# KiCad board AnalogFNN.kicad_pcb (continued)
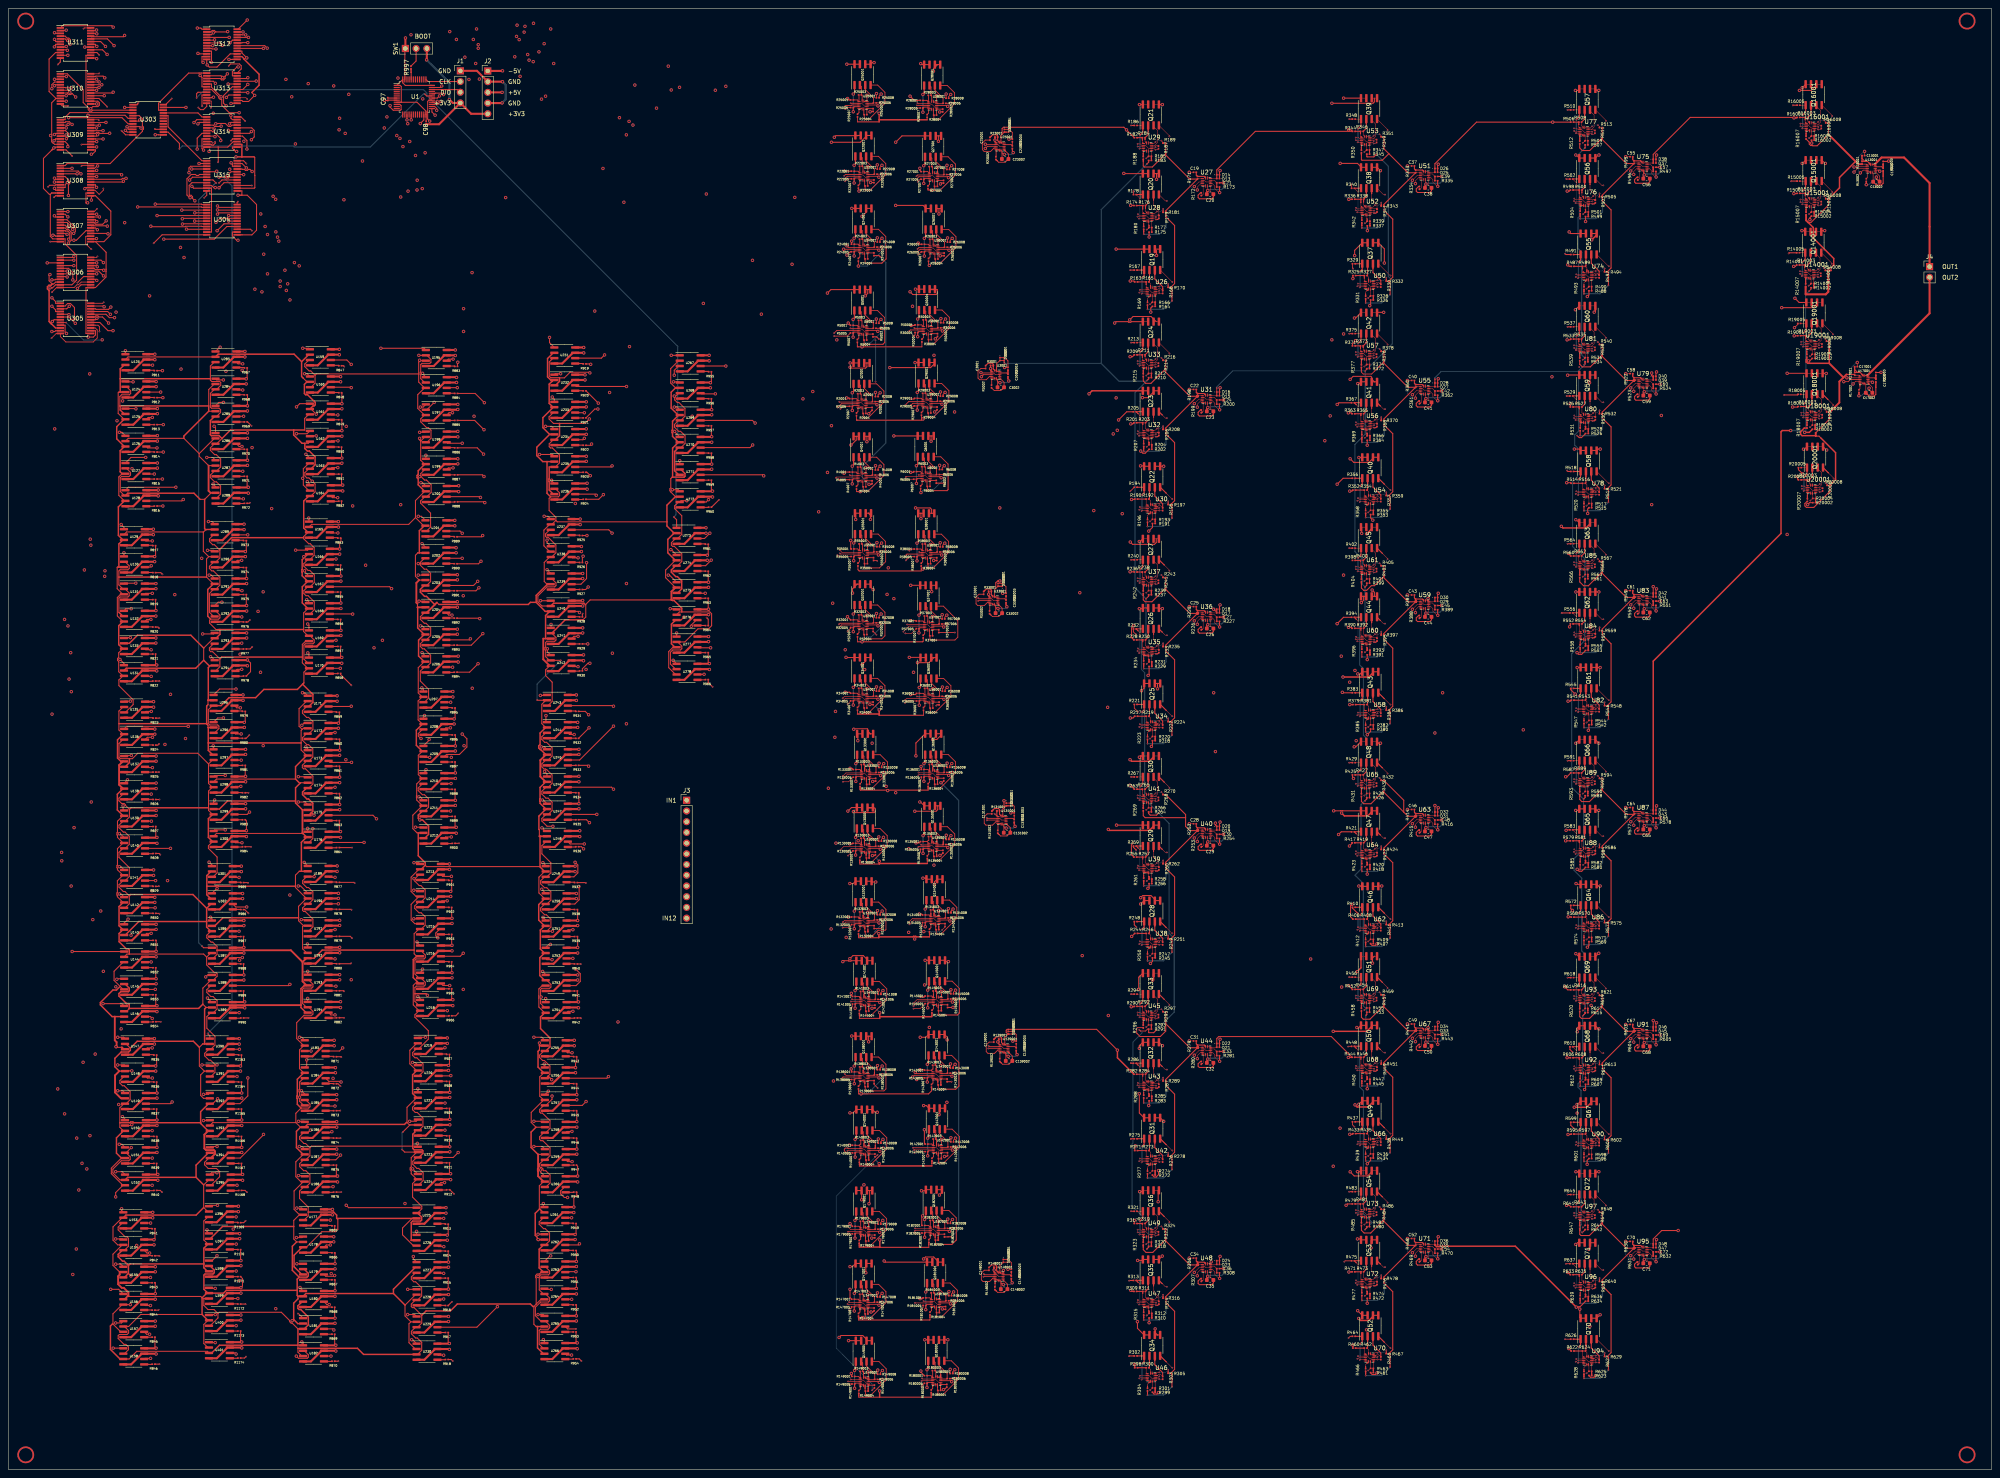
[diagram p0: board, top side]
## Placement (name value [footprint] x y rotation side) (continued)
U151  MCP41050  [SOIC-8_3.9x4.9mm_P1.27mm]  30.1 74.5 0 top
U152  MCP41050  [SOIC-8_3.9x4.9mm_P1.27mm]  30.1 68.05 0 top
U153  MCP41050  [SOIC-8_3.9x4.9mm_P1.27mm]  29.7 59.1 0 top
U154  MCP41050  [SOIC-8_3.9x4.9mm_P1.27mm]  29.7 52.65 0 top
U155  MCP41050  [SOIC-8_3.9x4.9mm_P1.27mm]  29.7 46.2 0 top
U156  MCP41050  [SOIC-8_3.9x4.9mm_P1.27mm]  29.7 39.75 0 top
U157  MCP41050  [SOIC-8_3.9x4.9mm_P1.27mm]  29.7 33.3 0 top
U158  MCP41050  [SOIC-8_3.9x4.9mm_P1.27mm]  29.7 26.85 0 top
U159  MCP41050  [SOIC-8_3.9x4.9mm_P1.27mm]  73.92 263.76 0 top
U160  MCP41050  [SOIC-8_3.9x4.9mm_P1.27mm]  73.92 257.31 0 top
U161  MCP41050  [SOIC-8_3.9x4.9mm_P1.27mm]  73.92 250.87 0 top
U162  MCP41050  [SOIC-8_3.9x4.9mm_P1.27mm]  73.92 244.42 0 top
U163  MCP41050  [SOIC-8_3.9x4.9mm_P1.27mm]  73.92 237.97 0 top
U164  MCP41050  [SOIC-8_3.9x4.9mm_P1.27mm]  73.92 231.51 0 top
U165  MCP41050  [SOIC-8_3.9x4.9mm_P1.27mm]  73.7 222.9 0 top
U166  MCP41050  [SOIC-8_3.9x4.9mm_P1.27mm]  73.7 216.45 0 top
U167  MCP41050  [SOIC-8_3.9x4.9mm_P1.27mm]  73.7 210 0 top
U168  MCP41050  [SOIC-8_3.9x4.9mm_P1.27mm]  73.7 203.55 0 top
U169  MCP41050  [SOIC-8_3.9x4.9mm_P1.27mm]  73.7 197.1 0 top
U170  MCP41050  [SOIC-8_3.9x4.9mm_P1.27mm]  73.7 190.65 0 top
U171  MCP41050  [SOIC-8_3.9x4.9mm_P1.27mm]  73.4 181.6 0 top
U172  MCP41050  [SOIC-8_3.9x4.9mm_P1.27mm]  73.4 175.15 0 top
U173  MCP41050  [SOIC-8_3.9x4.9mm_P1.27mm]  73.4 168.7 0 top
U174  MCP41050  [SOIC-8_3.9x4.9mm_P1.27mm]  73.4 162.25 0 top
U175  MCP41050  [SOIC-8_3.9x4.9mm_P1.27mm]  73.4 155.8 0 top
U176  MCP41050  [SOIC-8_3.9x4.9mm_P1.27mm]  73.4 149.35 0 top
U177  MCP41050  [SOIC-8_3.9x4.9mm_P1.27mm]  72.3 59.8 0 top
U178  MCP41050  [SOIC-8_3.9x4.9mm_P1.27mm]  72.3 53.35 0 top
U179  MCP41050  [SOIC-8_3.9x4.9mm_P1.27mm]  72.3 46.9 0 top
U180  MCP41050  [SOIC-8_3.9x4.9mm_P1.27mm]  72.3 40.45 0 top
U181  MCP41050  [SOIC-8_3.9x4.9mm_P1.27mm]  72.3 34 0 top
U182  MCP41050  [SOIC-8_3.9x4.9mm_P1.27mm]  72.3 27.55 0 top
U183  MCP41050  [SOIC-8_3.9x4.9mm_P1.27mm]  72.7 99.9 0 top
U184  MCP41050  [SOIC-8_3.9x4.9mm_P1.27mm]  72.7 93.45 0 top
U185  MCP41050  [SOIC-8_3.9x4.9mm_P1.27mm]  72.7 87 0 top
U186  MCP41050  [SOIC-8_3.9x4.9mm_P1.27mm]  72.7 80.55 0 top
U187  MCP41050  [SOIC-8_3.9x4.9mm_P1.27mm]  72.7 74.1 0 top
U188  MCP41050  [SOIC-8_3.9x4.9mm_P1.27mm]  72.7 67.65 0 top
U189  MCP41050  [SOIC-8_3.9x4.9mm_P1.27mm]  73.4 141.25 0 top
U190  MCP41050  [SOIC-8_3.9x4.9mm_P1.27mm]  73.4 134.8 0 top
U191  MCP41050  [SOIC-8_3.9x4.9mm_P1.27mm]  73.4 128.35 0 top
U192  MCP41050  [SOIC-8_3.9x4.9mm_P1.27mm]  73.4 121.9 0 top
U193  MCP41050  [SOIC-8_3.9x4.9mm_P1.27mm]  73.4 115.45 0 top
U194  MCP41050  [SOIC-8_3.9x4.9mm_P1.27mm]  73.4 109 0 top
U195  MCP41050  [SOIC-8_3.9x4.9mm_P1.27mm]  101.4 263.6 0 top
U196  MCP41050  [SOIC-8_3.9x4.9mm_P1.27mm]  101.4 257.15 0 top
U197  MCP41050  [SOIC-8_3.9x4.9mm_P1.27mm]  101.4 250.7 0 top
U198  MCP41050  [SOIC-8_3.9x4.9mm_P1.27mm]  101.4 244.25 0 top
U199  MCP41050  [SOIC-8_3.9x4.9mm_P1.27mm]  101.4 237.8 0 top
U200  MCP41050  [SOIC-8_3.9x4.9mm_P1.27mm]  101.4 231.35 0 top
U201  MCP41050  [SOIC-8_3.9x4.9mm_P1.27mm]  101.3 223.2 0 top
U202  MCP41050  [SOIC-8_3.9x4.9mm_P1.27mm]  101.3 216.75 0 top
U203  MCP41050  [SOIC-8_3.9x4.9mm_P1.27mm]  101.3 210.3 0 top
U204  MCP41050  [SOIC-8_3.9x4.9mm_P1.27mm]  101.3 203.85 0 top
U205  MCP41050  [SOIC-8_3.9x4.9mm_P1.27mm]  101.3 197.4 0 top
U206  MCP41050  [SOIC-8_3.9x4.9mm_P1.27mm]  101.3 190.95 0 top
U207  MCP41050  [SOIC-8_3.9x4.9mm_P1.27mm]  100.83 182.6 0 top
U208  MCP41050  [SOIC-8_3.9x4.9mm_P1.27mm]  100.83 176.16 0 top
U209  MCP41050  [SOIC-8_3.9x4.9mm_P1.27mm]  100.83 169.71 0 top
U210  MCP41050  [SOIC-8_3.9x4.9mm_P1.27mm]  100.83 163.25 0 top
U211  MCP41050  [SOIC-8_3.9x4.9mm_P1.27mm]  100.83 156.81 0 top
U212  MCP41050  [SOIC-8_3.9x4.9mm_P1.27mm]  100.83 150.35 0 top
U213  MCP41050  [SOIC-8_3.9x4.9mm_P1.27mm]  100.03 141.72 0 top
U214  MCP41050  [SOIC-8_3.9x4.9mm_P1.27mm]  100.03 135.26 0 top
U215  MCP41050  [SOIC-8_3.9x4.9mm_P1.27mm]  100.03 128.81 0 top
U216  MCP41050  [SOIC-8_3.9x4.9mm_P1.27mm]  100.03 122.37 0 top
U217  MCP41050  [SOIC-8_3.9x4.9mm_P1.27mm]  100.03 115.91 0 top
U218  MCP41050  [SOIC-8_3.9x4.9mm_P1.27mm]  100.03 109.47 0 top
U219  MCP41050  [SOIC-8_3.9x4.9mm_P1.27mm]  99.5 100.45 0 top
U220  MCP41050  [SOIC-8_3.9x4.9mm_P1.27mm]  99.5 94 0 top
U221  MCP41050  [SOIC-8_3.9x4.9mm_P1.27mm]  99.5 87.55 0 top
U222  MCP41050  [SOIC-8_3.9x4.9mm_P1.27mm]  99.5 81.1 0 top
U223  MCP41050  [SOIC-8_3.9x4.9mm_P1.27mm]  99.5 74.65 0 top
U224  MCP41050  [SOIC-8_3.9x4.9mm_P1.27mm]  99.5 68.2 0 top
U225  MCP41050  [SOIC-8_3.9x4.9mm_P1.27mm]  99.2 60.2 0 top
U226  MCP41050  [SOIC-8_3.9x4.9mm_P1.27mm]  99.2 53.75 0 top
U227  MCP41050  [SOIC-8_3.9x4.9mm_P1.27mm]  99.2 47.3 0 top
U228  MCP41050  [SOIC-8_3.9x4.9mm_P1.27mm]  99.2 40.85 0 top
U229  MCP41050  [SOIC-8_3.9x4.9mm_P1.27mm]  99.2 34.4 0 top
U230  MCP41050  [SOIC-8_3.9x4.9mm_P1.27mm]  99.2 27.95 0 top
U231  MCP41050  [SOIC-8_3.9x4.9mm_P1.27mm]  131.85 264.2 0 top
U232  MCP41050  [SOIC-8_3.9x4.9mm_P1.27mm]  131.85 257.75 0 top
U233  MCP41050  [SOIC-8_3.9x4.9mm_P1.27mm]  131.85 251.3 0 top
U234  MCP41050  [SOIC-8_3.9x4.9mm_P1.27mm]  131.85 244.85 0 top
U235  MCP41050  [SOIC-8_3.9x4.9mm_P1.27mm]  131.85 238.4 0 top
U236  MCP41050  [SOIC-8_3.9x4.9mm_P1.27mm]  131.85 231.95 0 top
U237  MCP41050  [SOIC-8_3.9x4.9mm_P1.27mm]  131 223.5 0 top
U238  MCP41050  [SOIC-8_3.9x4.9mm_P1.27mm]  131 217.05 0 top
U239  MCP41050  [SOIC-8_3.9x4.9mm_P1.27mm]  131 210.6 0 top
U240  MCP41050  [SOIC-8_3.9x4.9mm_P1.27mm]  131 204.15 0 top
U241  MCP41050  [SOIC-8_3.9x4.9mm_P1.27mm]  131 197.7 0 top
U242  MCP41050  [SOIC-8_3.9x4.9mm_P1.27mm]  131 191.25 0 top
U243  MCP41050  [SOIC-8_3.9x4.9mm_P1.27mm]  130.1 181.8 0 top
U244  MCP41050  [SOIC-8_3.9x4.9mm_P1.27mm]  130.1 175.35 0 top
U245  MCP41050  [SOIC-8_3.9x4.9mm_P1.27mm]  130.1 168.9 0 top
U246  MCP41050  [SOIC-8_3.9x4.9mm_P1.27mm]  130.1 162.45 0 top
U247  MCP41050  [SOIC-8_3.9x4.9mm_P1.27mm]  130.1 156 0 top
U248  MCP41050  [SOIC-8_3.9x4.9mm_P1.27mm]  130.1 149.55 0 top
U249  MCP41050  [SOIC-8_3.9x4.9mm_P1.27mm]  129.8 141.2 0 top
U250  MCP41050  [SOIC-8_3.9x4.9mm_P1.27mm]  129.8 134.75 0 top
U251  MCP41050  [SOIC-8_3.9x4.9mm_P1.27mm]  129.8 128.3 0 top
U252  MCP41050  [SOIC-8_3.9x4.9mm_P1.27mm]  129.8 121.85 0 top
U253  MCP41050  [SOIC-8_3.9x4.9mm_P1.27mm]  129.8 115.4 0 top
U254  MCP41050  [SOIC-8_3.9x4.9mm_P1.27mm]  129.8 108.95 0 top
U255  MCP41050  [SOIC-8_3.9x4.9mm_P1.27mm]  129.6 99.9 0 top
U256  MCP41050  [SOIC-8_3.9x4.9mm_P1.27mm]  129.6 93.45 0 top
U257  MCP41050  [SOIC-8_3.9x4.9mm_P1.27mm]  129.6 87 0 top
U258  MCP41050  [SOIC-8_3.9x4.9mm_P1.27mm]  129.6 80.55 0 top
U259  MCP41050  [SOIC-8_3.9x4.9mm_P1.27mm]  129.6 74.1 0 top
U260  MCP41050  [SOIC-8_3.9x4.9mm_P1.27mm]  129.6 67.65 0 top
U261  MCP41050  [SOIC-8_3.9x4.9mm_P1.27mm]  129.5 60.35 0 top
U262  MCP41050  [SOIC-8_3.9x4.9mm_P1.27mm]  129.5 53.9 0 top
U263  MCP41050  [SOIC-8_3.9x4.9mm_P1.27mm]  129.5 47.45 0 top
U264  MCP41050  [SOIC-8_3.9x4.9mm_P1.27mm]  129.5 41 0 top
U265  MCP41050  [SOIC-8_3.9x4.9mm_P1.27mm]  129.5 34.55 0 top
U266  MCP41050  [SOIC-8_3.9x4.9mm_P1.27mm]  129.5 28.1 0 top
U267  MCP41050  [SOIC-8_3.9x4.9mm_P1.27mm]  161.57 262.33 0 top
U268  MCP41050  [SOIC-8_3.9x4.9mm_P1.27mm]  161.57 255.88 0 top
U269  MCP41050  [SOIC-8_3.9x4.9mm_P1.27mm]  161.57 249.44 0 top
U270  MCP41050  [SOIC-8_3.9x4.9mm_P1.27mm]  161.57 242.99 0 top
U271  MCP41050  [SOIC-8_3.9x4.9mm_P1.27mm]  161.57 236.53 0 top
U272  MCP41050  [SOIC-8_3.9x4.9mm_P1.27mm]  161.57 230.09 0 top
U273  MCP41050  [SOIC-8_3.9x4.9mm_P1.27mm]  160.82 221.44 0 top
U274  MCP41050  [SOIC-8_3.9x4.9mm_P1.27mm]  160.82 214.99 0 top
U275  MCP41050  [SOIC-8_3.9x4.9mm_P1.27mm]  160.82 208.53 0 top
U276  MCP41050  [SOIC-8_3.9x4.9mm_P1.27mm]  160.82 202.09 0 top
U277  MCP41050  [SOIC-8_3.9x4.9mm_P1.27mm]  160.82 195.63 0 top
U278  MCP41050  [SOIC-8_3.9x4.9mm_P1.27mm]  160.82 189.19 0 top
U283  MCP41050  [SOIC-8_3.9x4.9mm_P1.27mm]  51.55 263.25 0 top
U284  MCP41050  [SOIC-8_3.9x4.9mm_P1.27mm]  51.55 256.8 0 top
U285  MCP41050  [SOIC-8_3.9x4.9mm_P1.27mm]  51.55 250.35 0 top
U286  MCP41050  [SOIC-8_3.9x4.9mm_P1.27mm]  51.55 243.9 0 top
U287  MCP41050  [SOIC-8_3.9x4.9mm_P1.27mm]  51.55 237.45 0 top
U288  MCP41050  [SOIC-8_3.9x4.9mm_P1.27mm]  51.55 231 0 top
U289  MCP41050  [SOIC-8_3.9x4.9mm_P1.27mm]  51.35 222.3 0 top
U290  MCP41050  [SOIC-8_3.9x4.9mm_P1.27mm]  51.35 215.85 0 top
U291  MCP41050  [SOIC-8_3.9x4.9mm_P1.27mm]  51.35 209.4 0 top
U292  MCP41050  [SOIC-8_3.9x4.9mm_P1.27mm]  51.35 202.95 0 top
U293  MCP41050  [SOIC-8_3.9x4.9mm_P1.27mm]  51.35 196.5 0 top
U294  MCP41050  [SOIC-8_3.9x4.9mm_P1.27mm]  51.35 190.05 0 top
U295  MCP41050  [SOIC-8_3.9x4.9mm_P1.27mm]  51.1 181.8 0 top
U296  MCP41050  [SOIC-8_3.9x4.9mm_P1.27mm]  51.1 175.35 0 top
U297  MCP41050  [SOIC-8_3.9x4.9mm_P1.27mm]  51.1 168.9 0 top
U298  MCP41050  [SOIC-8_3.9x4.9mm_P1.27mm]  51.1 162.45 0 top
U299  MCP41050  [SOIC-8_3.9x4.9mm_P1.27mm]  51.1 156 0 top
U300  MCP41050  [SOIC-8_3.9x4.9mm_P1.27mm]  51.1 149.55 0 top
U301  MCP41050  [SOIC-8_3.9x4.9mm_P1.27mm]  50.7 141.2 0 top
U302  MCP41050  [SOIC-8_3.9x4.9mm_P1.27mm]  50.7 134.75 0 top
U303  CD74HC4067SM  [SSOP-24_5.3x8.2mm_P0.65mm]  33.1 320.1 0 top
U304  CD74HC4067SM  [SSOP-24_5.3x8.2mm_P0.65mm]  50.6 296.4 0 top
U305  CD74HC4067SM  [SSOP-24_5.3x8.2mm_P0.65mm]  15.9 273 0 top
U306  CD74HC4067SM  [SSOP-24_5.3x8.2mm_P0.65mm]  15.9 283.89 0 top
U307  CD74HC4067SM  [SSOP-24_5.3x8.2mm_P0.65mm]  15.9 294.77 0 top
U308  CD74HC4067SM  [SSOP-24_5.3x8.2mm_P0.65mm]  15.9 305.66 0 top
U309  CD74HC4067SM  [SSOP-24_5.3x8.2mm_P0.65mm]  15.9 316.54 0 top
U310  CD74HC4067SM  [SSOP-24_5.3x8.2mm_P0.65mm]  15.9 327.43 0 top
U311  CD74HC4067SM  [SSOP-24_5.3x8.2mm_P0.65mm]  15.9 338.31 0 top
U312  CD74HC4067SM  [SSOP-24_5.3x8.2mm_P0.65mm]  50.6 338 0 top
U313  CD74HC4067SM  [SSOP-24_5.3x8.2mm_P0.65mm]  50.6 327.6 0 top
U314  CD74HC4067SM  [SSOP-24_5.3x8.2mm_P0.65mm]  50.6 317.2 0 top
U315  CD74HC4067SM  [SSOP-24_5.3x8.2mm_P0.65mm]  50.6 306.8 0 top
U386  MCP41050  [SOIC-8_3.9x4.9mm_P1.27mm]  50.7 128.3 0 top
U387  MCP41050  [SOIC-8_3.9x4.9mm_P1.27mm]  50.7 121.85 0 top
U388  MCP41050  [SOIC-8_3.9x4.9mm_P1.27mm]  50.7 115.4 0 top
U389  MCP41050  [SOIC-8_3.9x4.9mm_P1.27mm]  50.7 108.95 0 top
U390  MCP41050  [SOIC-8_3.9x4.9mm_P1.27mm]  50.2 100.3 0 top
U391  MCP41050  [SOIC-8_3.9x4.9mm_P1.27mm]  50.2 93.85 0 top
U392  MCP41050  [SOIC-8_3.9x4.9mm_P1.27mm]  50.2 87.4 0 top
U393  MCP41050  [SOIC-8_3.9x4.9mm_P1.27mm]  50.2 80.95 0 top
U394  MCP41050  [SOIC-8_3.9x4.9mm_P1.27mm]  50.2 74.5 0 top
U395  MCP41050  [SOIC-8_3.9x4.9mm_P1.27mm]  50.2 68.05 0 top
U396  MCP41050  [SOIC-8_3.9x4.9mm_P1.27mm]  50 60.55 0 top
U397  MCP41050  [SOIC-8_3.9x4.9mm_P1.27mm]  50 54.1 0 top
U398  MCP41050  [SOIC-8_3.9x4.9mm_P1.27mm]  50 47.65 0 top
U399  MCP41050  [SOIC-8_3.9x4.9mm_P1.27mm]  50 41.2 0 top
U400  MCP41050  [SOIC-8_3.9x4.9mm_P1.27mm]  50 34.75 0 top
U401  MCP41050  [SOIC-8_3.9x4.9mm_P1.27mm]  50 28.3 0 top
U2001  TLV9004xRUCR  [Texas_S-PX2QFN-14]  202.29 252.75 0 top
U3001  TLV9004xRUCR  [Texas_S-PX2QFN-14]  233.99 259.65 0 top
U4001  TLV9004xRUCR  [Texas_S-PX2QFN-14]  202.29 235.35 0 top
U5001  TLV9004xRUCR  [Texas_S-PX2QFN-14]  202.49 270.15 0 top
U6001  TLV9004xRUCR  [Texas_S-PX2QFN-14]  217.49 235.45 0 top
U13001  TLV9004xRUCR  [Texas_S-PX2QFN-14]  441.49 308.55 0 top
U14001  TLV9004xRUCR  [Texas_S-PX2QFN-14]  426.94 283.45 0 top
U15001  TLV9004xRUCR  [Texas_S-PX2QFN-14]  427.04 300.45 0 top
U16001  TLV9004xRUCR  [Texas_S-PX2QFN-14]  427.04 318.45 0 top
U17001  TLV9004xRUCR  [Texas_S-PX2QFN-14]  439.76 258.5 0 top
U18001  TLV9004xRUCR  [Texas_S-PX2QFN-14]  427.26 249.9 0 top
U19001  TLV9004xRUCR  [Texas_S-PX2QFN-14]  427.21 266.7 0 top
U20001  TLV9004xRUCR  [Texas_S-PX2QFN-14]  427.36 232.5 0 top
U22001  TLV9004xRUCR  [Texas_S-PX2QFN-14]  202.73 306.7 0 top
U23001  TLV9004xRUCR  [Texas_S-PX2QFN-14]  235.03 313.8 0 top
U24001  TLV9004xRUCR  [Texas_S-PX2QFN-14]  202.73 289.4 0 top
U25001  TLV9004xRUCR  [Texas_S-PX2QFN-14]  202.53 323.6 0 top
U26001  TLV9004xRUCR  [Texas_S-PX2QFN-14]  219.36 289.38 0 top
U27001  TLV9004xRUCR  [Texas_S-PX2QFN-14]  219.23 306.6 0 top
U28001  TLV9004xRUCR  [Texas_S-PX2QFN-14]  219.03 323.5 0 top
U29001  TLV9004xRUCR  [Texas_S-PX2QFN-14]  217.69 252.85 0 top
U30001  TLV9004xRUCR  [Texas_S-PX2QFN-14]  217.79 270.25 0 top
U32001  TLV9004xRUCR  [Texas_S-PX2QFN-14]  202.53 200.3 0 top
U33001  TLV9004xRUCR  [Texas_S-PX2QFN-14]  233.53 206.1 0 top
U34001  TLV9004xRUCR  [Texas_S-PX2QFN-14]  202.53 182.9 0 top
U35001  TLV9004xRUCR  [Texas_S-PX2QFN-14]  202.63 217.12 0 top
U36001  TLV9004xRUCR  [Texas_S-PX2QFN-14]  218.16 182.88 0 top
U37001  TLV9004xRUCR  [Texas_S-PX2QFN-14]  218.1 200.03 0 top
U38001  TLV9004xRUCR  [Texas_S-PX2QFN-14]  217.63 217.1 0 top
U130001  TLV9004xRUCR  [Texas_S-PX2QFN-14]  203.07 147.32 0 top
U131001  TLV9004xRUCR  [Texas_S-PX2QFN-14]  235.47 154.03 0 top
U132001  TLV9004xRUCR  [Texas_S-PX2QFN-14]  202.77 129.85 0 top
U133001  TLV9004xRUCR  [Texas_S-PX2QFN-14]  203.14 164.8 0 top
U134001  TLV9004xRUCR  [Texas_S-PX2QFN-14]  219.57 130.32 0 top
U135001  TLV9004xRUCR  [Texas_S-PX2QFN-14]  219.07 147.72 0 top
U136001  TLV9004xRUCR  [Texas_S-PX2QFN-14]  219.27 164.82 0 top
U138001  TLV9004xRUCR  [Texas_S-PX2QFN-14]  202.77 93.1 0 top
U139001  TLV9004xRUCR  [Texas_S-PX2QFN-14]  235.94 99.9 0 top
U140001  TLV9004xRUCR  [Texas_S-PX2QFN-14]  202.97 75.7 0 top
U141001  TLV9004xRUCR  [Texas_S-PX2QFN-14]  202.97 111 0 top
U142001  TLV9004xRUCR  [Texas_S-PX2QFN-14]  220.17 76 0 top
U143001  TLV9004xRUCR  [Texas_S-PX2QFN-14]  220.07 93.5 0 top
U145001  TLV9004xRUCR  [Texas_S-PX2QFN-14]  220.17 111.1 0 top
U147001  TLV9004xRUCR  [Texas_S-PX2QFN-14]  202.77 39.19 0 top
U148001  TLV9004xRUCR  [Texas_S-PX2QFN-14]  234.78 45.79 0 top
U149001  TLV9004xRUCR  [Texas_S-PX2QFN-14]  202.83 20.89 0 top
U179001  TLV9004xRUCR  [Texas_S-PX2QFN-14]  202.93 56.49 0 top
U180001  TLV9004xRUCR  [Texas_S-PX2QFN-14]  220 21.07 0 top
U181001  TLV9004xRUCR  [Texas_S-PX2QFN-14]  219.7 39.52 0 top
U182001  TLV9004xRUCR  [Texas_S-PX2QFN-14]  219.43 56.69 0 top

## Library data of the parts
C19-C72 C97 C98 C3001-C3003 C13001-C13003 C17001-C17003 C23001-C23003 C33001-C33003 C131001-C131003 C139001-C139003 C148001-C148003 = -: Description: Unpolarized capacitor, small symbol
D13-D48 D3001 D3002 D23001 D23002 D33001 D33002 D131001 D131002 D139001 D139002 D148001 D148002 = -: Description: Diode, filled shape
J1 = -: Description: Generic connector, single row, 01x04, script generated (kicad-library-utils/schlib/autogen/connector/)
J2 = -: Description: Generic connector, single row, 01x05, script generated (kicad-library-utils/schlib/autogen/connector/)
J3 = -: Description: Generic connector, single row, 01x12, script generated (kicad-library-utils/schlib/autogen/connector/)
J4 = -: Description: Generic connector, single row, 01x02, script generated (kicad-library-utils/schlib/autogen/connector/)
Q19-Q72 Q2001 Q4001 Q5001 Q6001 Q14001 Q15001 Q16001 Q18001 Q19001 Q20001 Q22001 Q24001 Q25001 Q26001 Q27001 Q28001 Q29001 Q30001 Q32001 Q34001 Q35001 Q36001 Q37001 Q38001 Q130001 Q132001 Q133001 Q134001 Q135001 Q136001 Q138001 Q140001 Q141001 Q142001 Q143001 Q145001 Q147001 Q149001 Q179001 Q180001 Q181001 Q182001 = -: Description: 9A Id, -20V Vds, Dual HEXFET P-Channel MOSFET, SO-8
R163-R648 R811-R990 R997 R1163-R1174 R2001-R2008 R3001-R3003 R4001-R4008 R5001-R5008 R6001-R6008 R13001-R13003 R14001-R14008 R15001-R15008 R16001-R16008 R17001-R17003 R18001-R18008 R19001-R19008 R20001-R20008 R22001-R22008 R23001-R23003 R24001-R24008 R25001-R25008 R26001-R26008 R27001-R27008 R28001-R28008 R29001-R29008 R30001-R30008 R32001-R32008 R33001-R33003 R34001-R34008 R35001-R35008 R36001-R36008 R37001-R37008 R38001-R38008 R130001-R130008 R131001-R131003 R132001-R132008 R133001-R133008 R134001-R134008 R135001-R135008 R136001-R136008 R138001-R138008 R139001-R139003 R140001-R140008 R141001-R141008 R142001-R142008 R143001-R143008 R145001-R145008 R147001-R147008 R148001-R148003 R149001-R149008 R179001-R179008 R180001-R180008 R181001-R181008 R182001-R182008 = -: Description: Resistor, US symbol
SW1 = -: Description: Switch, single pole double throw
U1 = -: Description: ARM Cortex-M0 MCU, 256KB flash, 32KB RAM, 48MHz, 2.4-3.6V, 37 GPIO, LQFP-48
U26-U97 U2001 U3001 U4001 U5001 U6001 U13001 U14001 U15001 U16001 U17001 U18001 U19001 U20001 U22001 U23001 U24001 U25001 U26001 U27001 U28001 U29001 U30001 U32001 U33001 U34001 U35001 U36001 U37001 U38001 U130001 U131001 U132001 U133001 U134001 U135001 U136001 U138001 U139001 U140001 U141001 U142001 U143001 U145001 U147001 U148001 U149001 U179001 U180001 U181001 U182001 = -: Description: Low-Power, Quad-Operational Amplifiers, Texas S-PX2QFN-14
U123-U278 U283-U302 U386-U401 = -: Description: Single Digital Potentiometer, SPI interface, 256 taps, 50 kohm
U303-U315 = -: Description: High-Speed CMOS Logic 16-Channel Analog Multiplexer/Demultiplexer, SSOP-24

## Footprints (pads in the part's own frame, mm; a bottom-side part is the same pattern mirrored in y, then rotated)
C_0201_0603Metric
  rrect 0.318x0.36 smd: (-0.345,0) (0.345,0)
  rrect 0.46x0.4 smd: 1(-0.32,0) 2(0.32,0)
C_0603_1608Metric
  rrect 0.9x0.95 smd: 1(-0.775,0) 2(0.775,0)
D_0201_0603Metric
  rrect 0.318x0.36 smd: (-0.345,0) (0.345,0)
  rrect 0.46x0.4 smd: 1(-0.32,0) 2(0.32,0)
LQFP-48_7x7mm_P0.5mm
  rrect 1.475x0.3 smd: 1(-4.162,2.75) 2(-4.162,2.25) 3(-4.162,1.75) 4(-4.162,1.25) 5(-4.162,0.75) 6(-4.162,0.25) 7(-4.162,-0.25) 8(-4.162,-0.75) 9(-4.162,-1.25) 10(-4.162,-1.75) 11(-4.162,-2.25) 12(-4.162,-2.75) 25(4.162,-2.75) 26(4.162,-2.25) 27(4.162,-1.75) 28(4.162,-1.25) 29(4.162,-0.75) 30(4.162,-0.25) 31(4.162,0.25) 32(4.162,0.75) 33(4.162,1.25) 34(4.162,1.75) 35(4.162,2.25) 36(4.162,2.75)
  rrect 0.3x1.475 smd: 13(-2.75,-4.162) 14(-2.25,-4.162) 15(-1.75,-4.162) 16(-1.25,-4.162) 17(-0.75,-4.162) 18(-0.25,-4.162) 19(0.25,-4.162) 20(0.75,-4.162) 21(1.25,-4.162) 22(1.75,-4.162) 23(2.25,-4.162) 24(2.75,-4.162) 37(2.75,4.162) 38(2.25,4.162) 39(1.75,4.162) 40(1.25,4.162) 41(0.75,4.162) 42(0.25,4.162) 43(-0.25,4.162) 44(-0.75,4.162) 45(-1.25,4.162) 46(-1.75,4.162) 47(-2.25,4.162) 48(-2.75,4.162)
PinHeader_1x02_P2.54mm_Vertical
  rect 1.7x1.7 hole 1: 1(0,0)
  oval 1.7x1.7 hole 1: 2(0,-2.54)
PinHeader_1x03_P2.54mm_Vertical
  rect 1.7x1.7 hole 1: 1(0,0)
  oval 1.7x1.7 hole 1: 2(0,-2.54) 3(0,-5.08)
PinHeader_1x04_P2.54mm_Vertical
  rect 1.7x1.7 hole 1: 1(0,0)
  oval 1.7x1.7 hole 1: 2(0,-2.54) 3(0,-5.08) 4(0,-7.62)
PinHeader_1x05_P2.54mm_Vertical
  rect 1.7x1.7 hole 1: 1(0,0)
  oval 1.7x1.7 hole 1: 2(0,-2.54) 3(0,-5.08) 4(0,-7.62) 5(0,-10.16)
PinHeader_1x12_P2.54mm_Vertical
  rect 1.7x1.7 hole 1: 1(0,0)
  oval 1.7x1.7 hole 1: 2(0,-2.54) 3(0,-5.08) 4(0,-7.62) 5(0,-10.16) 6(0,-12.7) 7(0,-15.24) 8(0,-17.78) 9(0,-20.32) 10(0,-22.86) 11(0,-25.4) 12(0,-27.94)
R_0201_0603Metric
  rrect 0.318x0.36 smd: (-0.345,0) (0.345,0)
  rrect 0.46x0.4 smd: 1(-0.32,0) 2(0.32,0)
SOIC-8_3.9x4.9mm_P1.27mm
  rrect 1.95x0.6 smd: 1(-2.475,1.905) 2(-2.475,0.635) 3(-2.475,-0.635) 4(-2.475,-1.905) 5(2.475,-1.905) 6(2.475,-0.635) 7(2.475,0.635) 8(2.475,1.905)
SSOP-24_5.3x8.2mm_P0.65mm
  rect 1.75x0.45 smd: 1(-3.6,3.575) 2(-3.6,2.925) 3(-3.6,2.275) 4(-3.6,1.625) 5(-3.6,0.975) 6(-3.6,0.325) 7(-3.6,-0.325) 8(-3.6,-0.975) 9(-3.6,-1.625) 10(-3.6,-2.275) 11(-3.6,-2.925) 12(-3.6,-3.575) 13(3.6,-3.575) 14(3.6,-2.925) 15(3.6,-2.275) 16(3.6,-1.625) 17(3.6,-0.975) 18(3.6,-0.325) 19(3.6,0.325) 20(3.6,0.975) 21(3.6,1.625) 22(3.6,2.275) 23(3.6,2.925) 24(3.6,3.575)
Texas_S-PX2QFN-14
  rrect 0.8x0.2 smd: 1(-0.95,0.8) 2(-0.95,0.4) 3(-0.95,0) 4(-0.95,-0.4) 5(-0.95,-0.8) 8(0.95,-0.8) 9(0.95,-0.4) 10(0.95,0) 11(0.95,0.4) 12(0.95,0.8)
  rrect 0.2x0.8 smd: 6(-0.2,-0.95) 7(0.2,-0.95) 13(0.2,0.95) 14(-0.2,0.95)

## Nets
+3V3: C98.2 J1.4 J2.5 SW1.3
+5V: J2.3 R811.1 R812.1 R813.1 R814.1 R815.1 R816.1 R817.1 R818.1 R819.1 R820.1 R821.1 R822.1 R823.1 R824.1 R825.1 R826.1 R827.1 R828.1 R829.1 R830.1 R831.1 R832.1 R833.1 R834.1 R835.1 R836.1 R837.1 R838.1 R839.1 R840.1 R841.1 R842.1 R843.1 R844.1 R845.1 R846.1 R847.1 R848.1 R849.1 R850.1 R851.1 R852.1 R853.1 R854.1 R855.1 R856.1 R857.1 R858.1 R859.1 R860.1 R861.1 R862.1 R863.1 R864.1 R865.1 R866.1 R867.1 R868.1 R869.1 R870.1 R871.1 R872.1 R873.1 R874.1 R875.1 R876.1 R877.1 R878.1 R879.1 R880.1 R881.1 R882.1 R883.1 R884.1 R885.1 R886.1 R887.1 R888.1 R889.1 R890.1 R891.1 R892.1 R893.1 R894.1 R895.1 R896.1 R897.1 R898.1 R899.1 R900.1 R901.1 R902.1 R903.1 R904.1 R905.1 R906.1 R907.1 R908.1 R909.1 R910.1 R911.1 R912.1 R913.1 R914.1 R915.1 R916.1 R917.1 R918.1 R919.1 R920.1 R921.1 R922.1 R923.1 R924.1 R925.1 R926.1 R927.1 R928.1 R929.1 R930.1 R931.1 R932.1 R933.1 R934.1 R935.1 R936.1 R937.1 R938.1 R939.1 R940.1 R941.1 R942.1 R943.1 R944.1 R945.1 R946.1 R947.1 R948.1 R949.1 R950.1 R951.1 R952.1 R953.1 R954.1 R955.1 R956.1 R957.1 R958.1 R959.1 R960.1 R961.1 R962.1 R963.1 R964.1 R965.1 R966.1 R967.1 R968.1 R969.1 R970.1 R971.1 R972.1 R973.1 R974.1 R975.1 R976.1 R977.1 R978.1 R979.1 R980.1 R981.1 R982.1 R983.1 R984.1 R985.1 R986.1 R987.1 R988.1 R989.1 R990.1 R1163.1 R1164.1 R1165.1 R1166.1 R1167.1 R1168.1 R1169.1 R1170.1 R1171.1 R1172.1 R1173.1 R1174.1 U26.3 U27.3 U28.3 U29.3 U30.3 U31.3 U32.3 U33.3 U34.3 U35.3 U36.3 U37.3 U38.3 U39.3 U40.3 U41.3 U42.3 U43.3 U44.3 U45.3 U46.3 U47.3 U48.3 U49.3 U50.3 U51.3 U52.3 U53.3 U54.3 U55.3 U56.3 U57.3 U58.3 U59.3 U60.3 U61.3 U62.3 U63.3 U64.3 U65.3 U66.3 U67.3 U68.3 U69.3 U70.3 U71.3 U72.3 U73.3 U74.3 U75.3 U76.3 U77.3 U78.3 U79.3 U80.3 U81.3 U82.3 U83.3 U84.3 U85.3 U86.3 U87.3 U88.3 U89.3 U90.3 U91.3 U92.3 U93.3 U94.3 U95.3 U96.3 U97.3 U123.8 U124.8 U125.8 U126.8 U127.8 U128.8 U129.8 U130.8 U131.8 U132.8 U133.8 U134.8 U135.8 U136.8 U137.8 U138.8 U139.8 U140.8 U141.8 U142.8 U143.8 U144.8 U145.8 U146.8 U147.8 U148.8 U149.8 U150.8 U151.8 U152.8 U153.8 U154.8 U155.8 U156.8 U157.8 U158.8 U159.8 U160.8 U161.8 U162.8 U163.8 U164.8 U165.8 U166.8 U167.8 U168.8 U169.8 U170.8 U171.8 U172.8 U173.8 U174.8 U175.8 U176.8 U177.8 U178.8 U179.8 U180.8 U181.8 U182.8 U183.8 U184.8 U185.8 U186.8 U187.8 U188.8 U189.8 U190.8 U191.8 U192.8 U193.8 U194.8 U195.8 U196.8 U197.8 U198.8 U199.8 U200.8 U201.8 U202.8 U203.8 U204.8 U205.8 U206.8 U207.8 U208.8 U209.8 U210.8 U211.8 U212.8 U213.8 U214.8 U215.8 U216.8 U217.8 U218.8 U219.8 U220.8 U221.8 U222.8 U223.8 U224.8 U225.8 U226.8 U227.8 U228.8 U229.8 U230.8 U231.8 U232.8 U233.8 U234.8 U235.8 U236.8 U237.8 U238.8 U239.8 U240.8 U241.8 U242.8 U243.8 U244.8 U245.8 U246.8 U247.8 U248.8 U249.8 U250.8 U251.8 U252.8 U253.8 U254.8 U255.8 U256.8 U257.8 U258.8 U259.8 U260.8 U261.8 U262.8 U263.8 U264.8 U265.8 U266.8 U267.8 U268.8 U269.8 U270.8 U271.8 U272.8 U273.8 U274.8 U275.8 U276.8 U277.8 U278.8 U283.8 U284.8 U285.8 U286.8 U287.8 U288.8 U289.8 U290.8 U291.8 U292.8 U293.8 U294.8 U295.8 U296.8 U297.8 U298.8 U299.8 U300.8 U301.8 U302.8 U303.24 U304.24 U305.24 U306.24 U307.24 U308.24 U309.24 U310.24 U311.24 U312.24 U313.24 U314.24 U315.24 U386.8 U387.8 U388.8 U389.8 U390.8 U391.8 U392.8 U393.8 U394.8 U395.8 U396.8 U397.8 U398.8 U399.8 U400.8 U401.8 U2001.3 U3001.3 U4001.3 U5001.3 U6001.3 U13001.3 U14001.3 U15001.3 U16001.3 U17001.3 U18001.3 U19001.3 U20001.3 U22001.3 U23001.3 U24001.3 U25001.3 U26001.3 U27001.3 U28001.3 U29001.3 U30001.3 U32001.3 U33001.3 U34001.3 U35001.3 U36001.3 U37001.3 U38001.3 U130001.3 U131001.3 U132001.3 U133001.3 U134001.3 U135001.3 U136001.3 U138001.3 U139001.3 U140001.3 U141001.3 U142001.3 U143001.3 U145001.3 U147001.3 U148001.3 U149001.3 U179001.3 U180001.3 U181001.3 U182001.3
-5V: J2.1 U26.10 U28.10 U29.10 U30.10 U32.10 U33.10 U34.10 U35.10 U37.10 U38.10 U39.10 U41.10 U42.10 U43.10 U45.10 U46.10 U47.10 U49.10 U50.10 U52.10 U53.10 U54.10 U56.10 U57.10 U58.10 U60.10 U61.10 U62.10 U64.10 U65.10 U66.10 U68.10 U69.10 U70.10 U72.10 U73.10 U74.10 U76.10 U77.10 U78.10 U80.10 U81.10 U82.10 U84.10 U85.10 U86.10 U88.10 U89.10 U90.10 U92.10 U93.10 U94.10 U96.10 U97.10 U2001.10 U4001.10 U5001.10 U6001.10 U14001.10 U15001.10 U16001.10 U18001.10 U19001.10 U20001.10 U22001.10 U24001.10 U25001.10 U26001.10 U27001.10 U28001.10 U29001.10 U30001.10 U32001.10 U34001.10 U35001.10 U36001.10 U37001.10 U38001.10 U130001.10 U132001.10 U133001.10 U134001.10 U135001.10 U136001.10 U138001.10 U140001.10 U141001.10 U142001.10 U143001.10 U145001.10 U147001.10 U149001.10 U179001.10 U180001.10 U181001.10 U182001.10
